# KiCad board trackpad.kicad_pcb
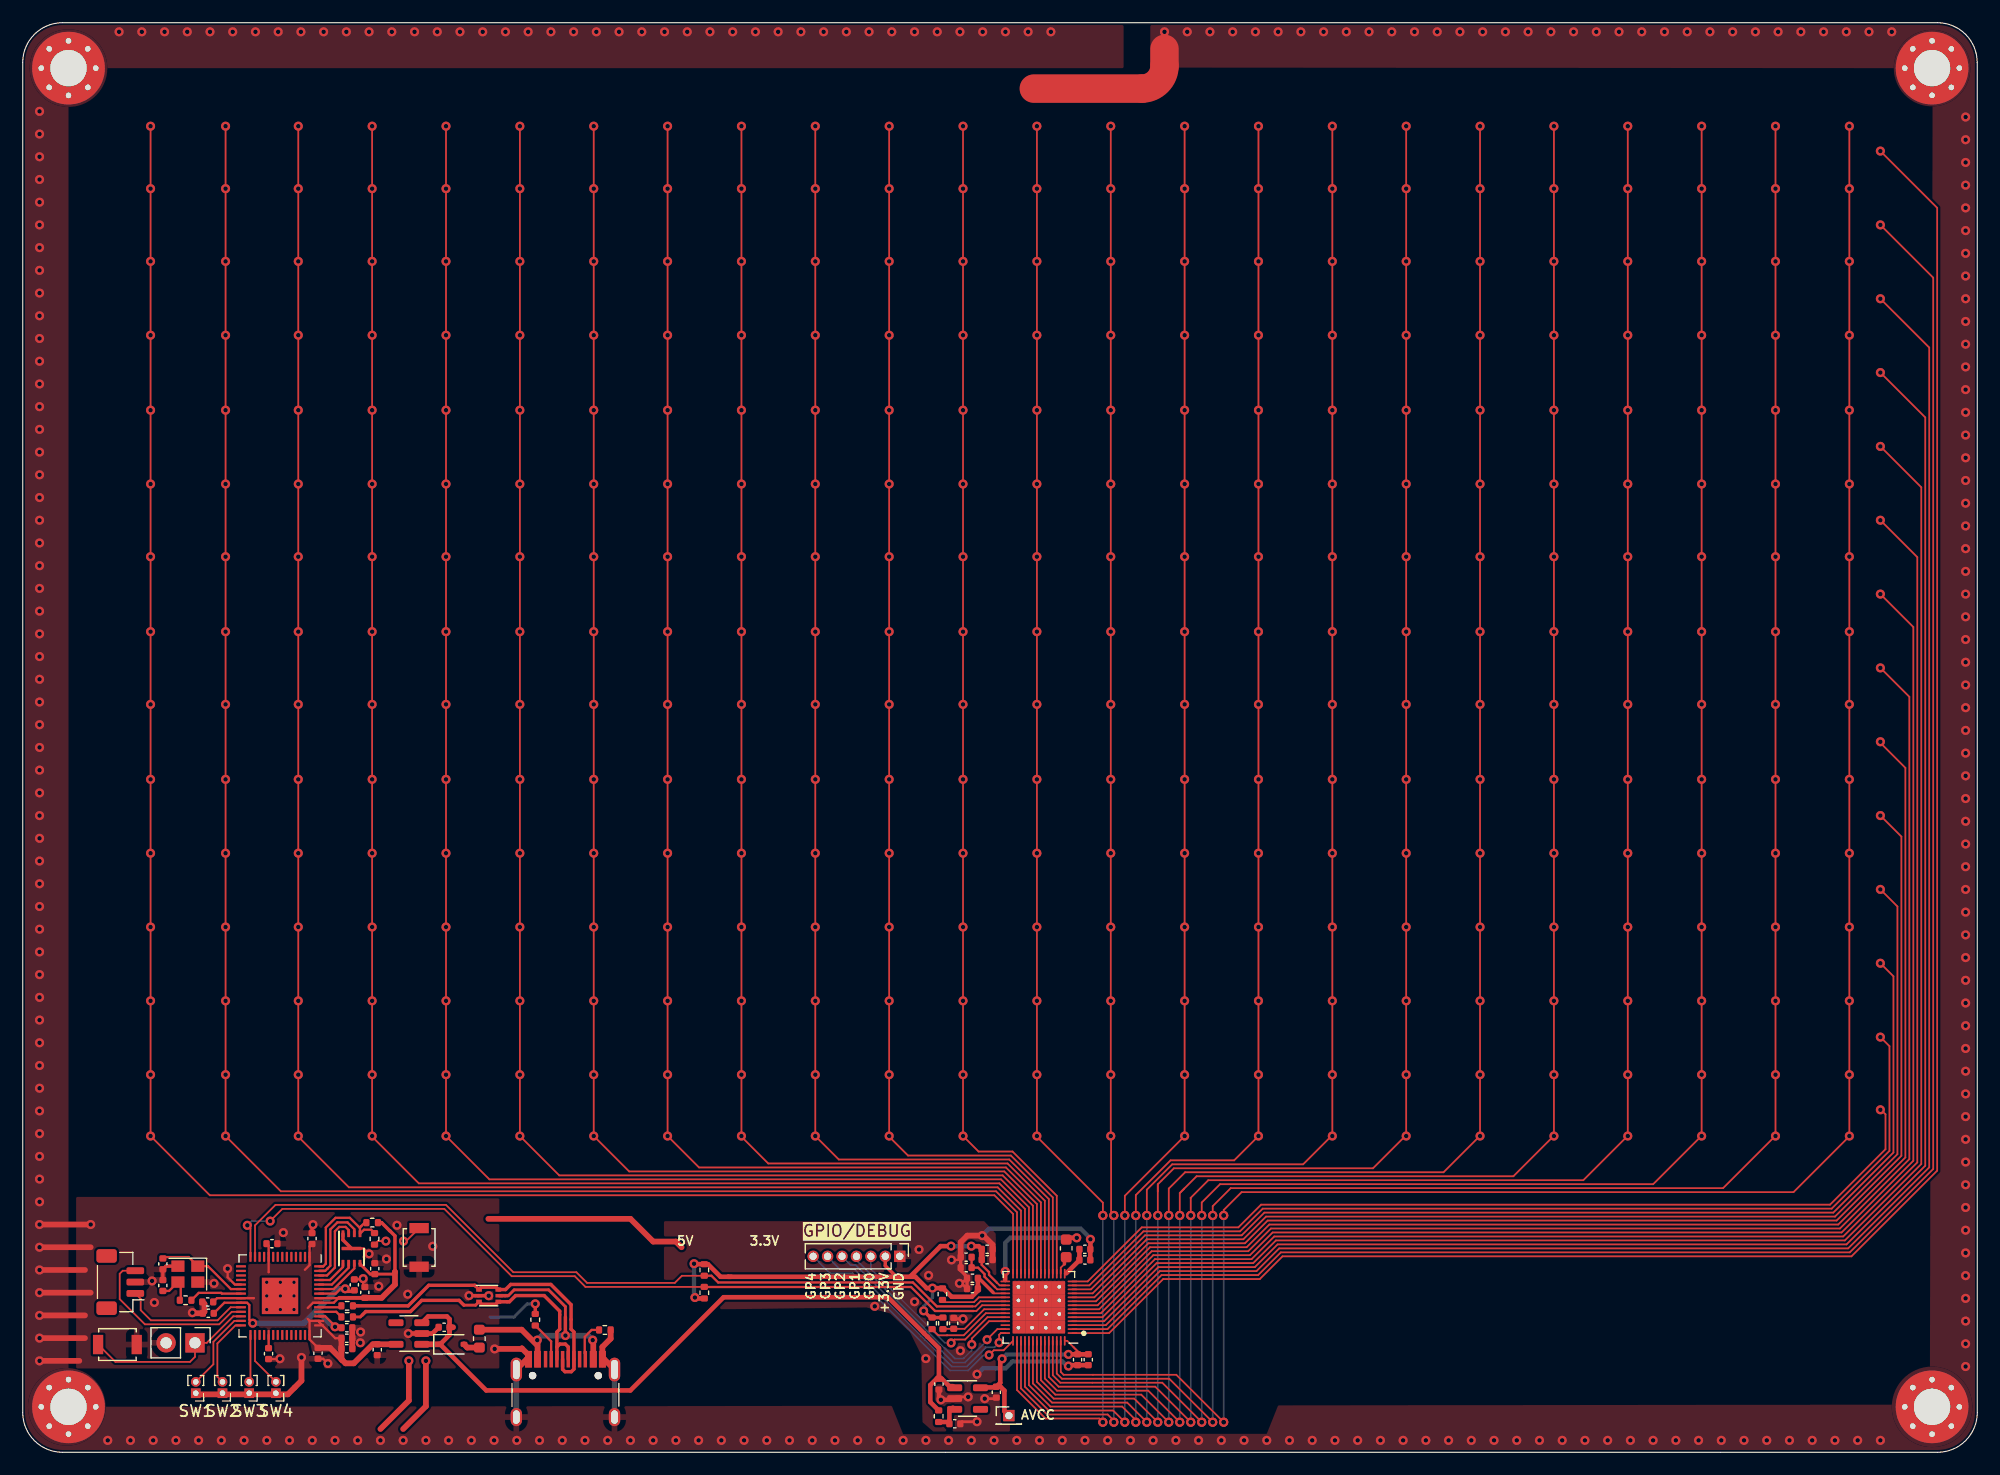
[diagram p0: board, top side]
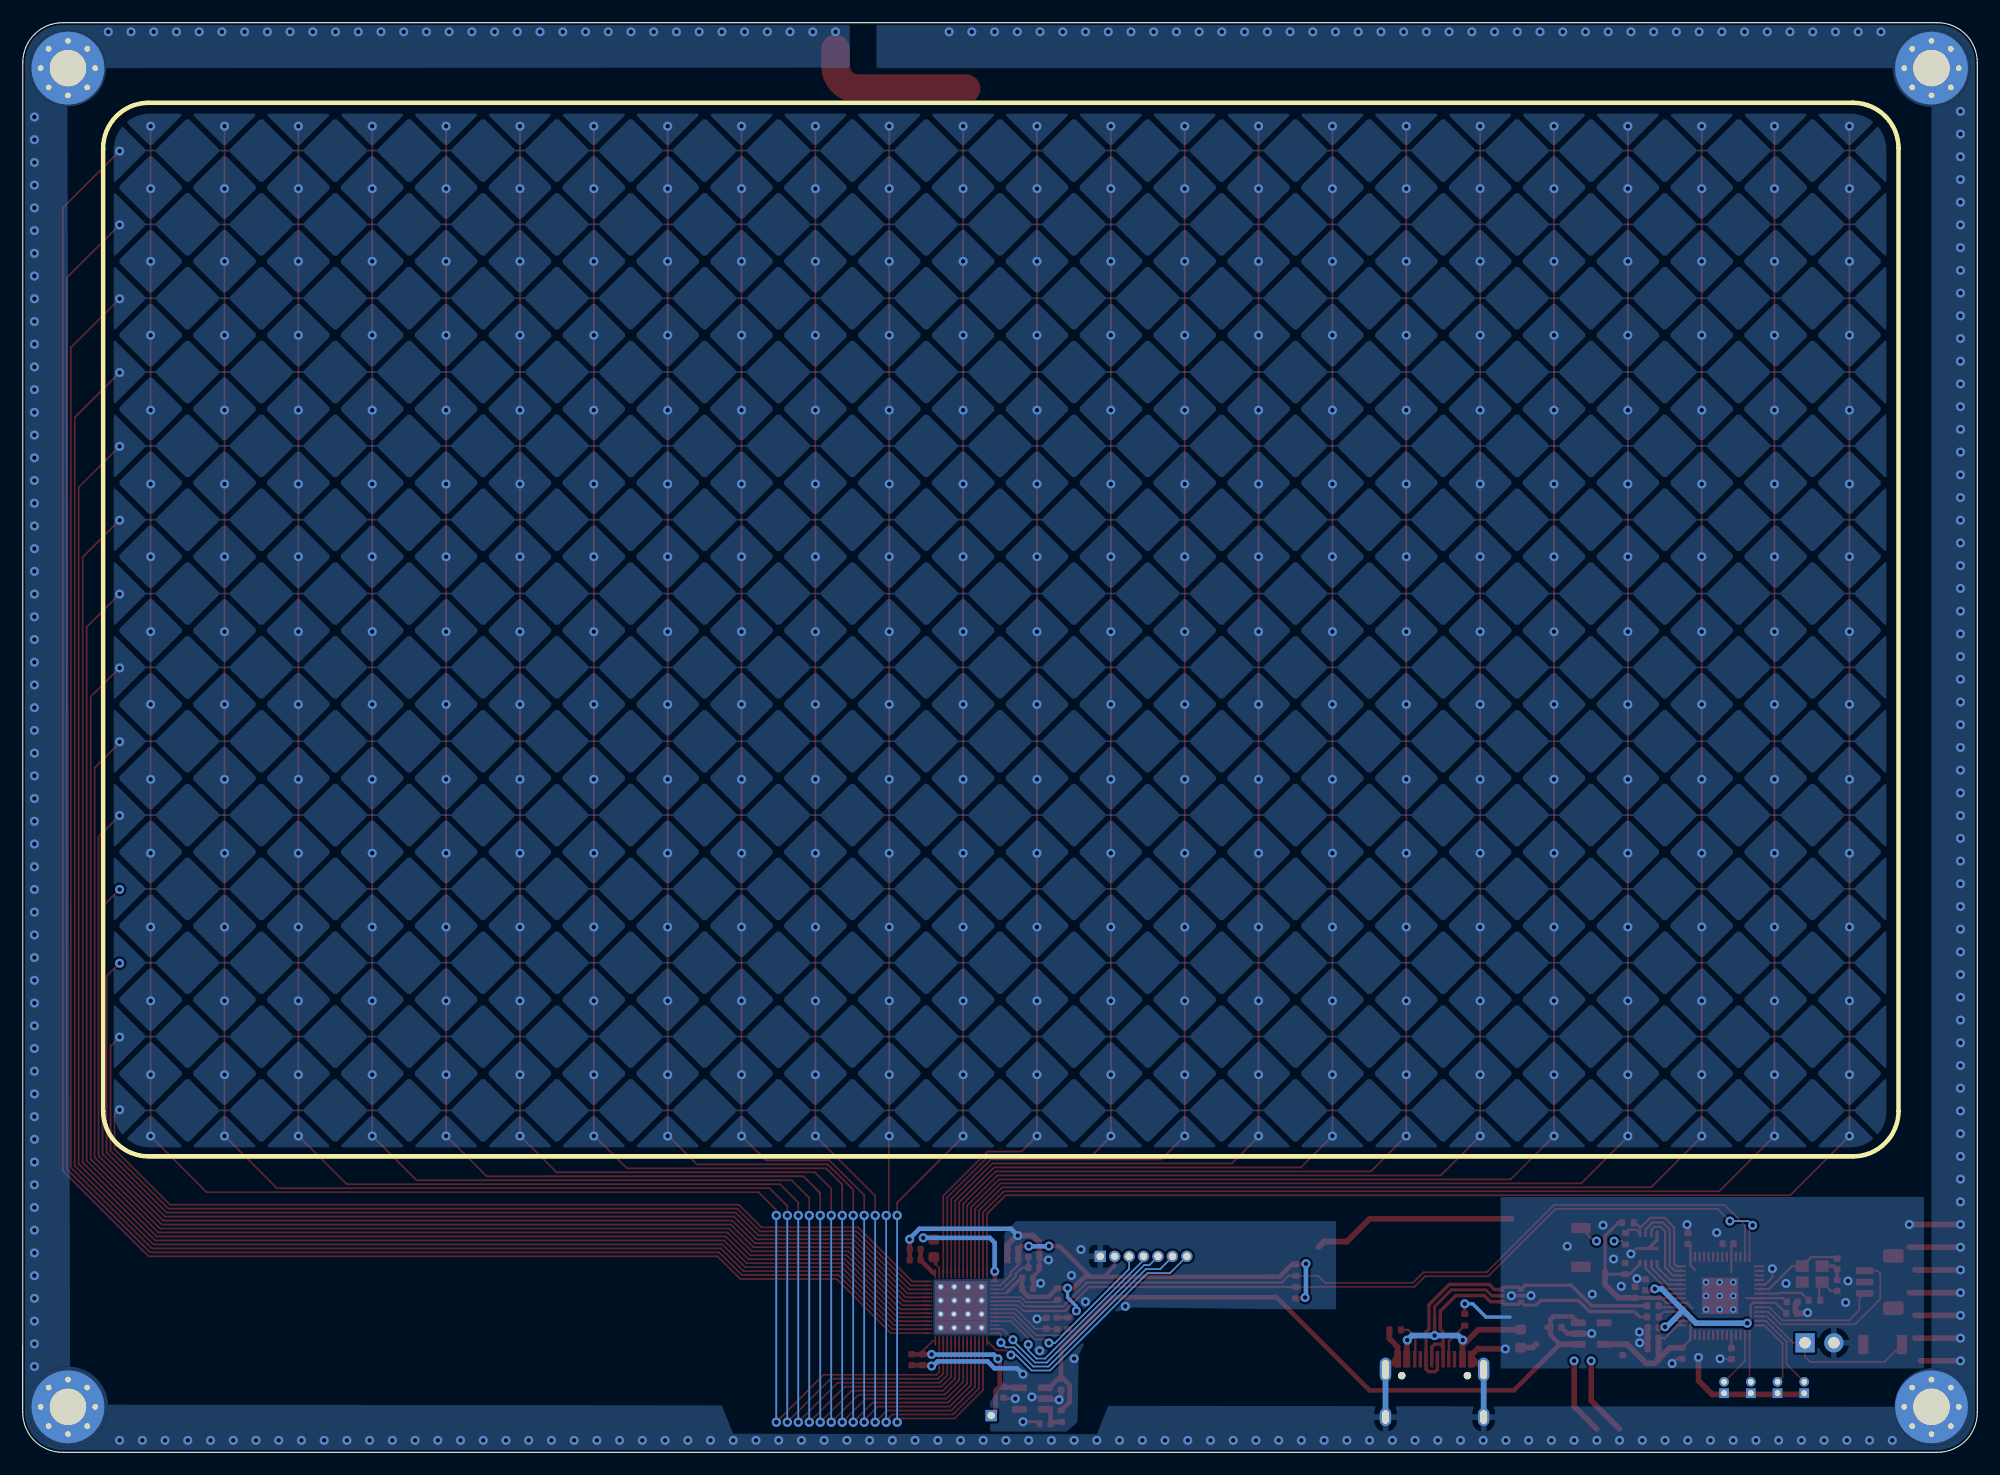
[diagram p1: board, bottom side, seen from below]

Outline 172.01 x 125.85 mm; copper layers: Top, Bottom. Coordinates in mm from the lower left corner of the outline.
Outline path: 0,122.35 arc(1.03,124.82) 3.5,125.85 168.5,125.85 arc(170.97,124.82) 172,122.35 172.01,3.49 arc(170.98,1.02) 168.51,0 3.5,0 arc(1.03,1.03) 0,3.5 0,122.35
Stack: Top 0.035mm / dielectric 1.51mm FR4 er 4.5 / Bottom 0.035mm

## Placement (name value [footprint] x y rotation side)
C1  1µ  [C_0402_1005Metric]  28.53 10.97 0 top
C2  100n  [C_0402_1005Metric]  29.18 14.74 90 top
C3  100n  [C_0402_1005Metric]  16.33 12.24 180 top
C4  1µ  [C_0402_1005Metric]  28.53 9.12 0 top
C5  100n  [C_0402_1005Metric]  30.11 14.08 90 top
C6  100n  [C_0402_1005Metric]  25.46 18.81 90 top
C7  100n  [C_0402_1005Metric]  21.93 18.37 0 top
C8  100n  [C_0402_1005Metric]  16.28 13.24 180 top
C9  100n  [C_0402_1005Metric]  21.63 8.69 270 top
C10  100n  [C_0402_1005Metric]  25.98 8.72 270 top
C11  100n  [C_0402_1005Metric]  28.53 10.04 0 top
C12  15p  [C_0402_1005Metric]  12.33 16.59 270 top
C13  15p  [C_0402_1005Metric]  12.33 14.69 90 top
C14  1µ  [C_0402_1005Metric]  80.63 6 270 top
C15  1µ  [C_0402_1005Metric]  37.08 11.01 180 top
C16  10nF  [C_0402_1005Metric]  81.93 11.35 90 top
C17  2.2nF  [C_0603_1608Metric]  91.83 17.95 90 top
C18  1µ  [C_0402_1005Metric]  93.47 17.87 0 top
C19  22n  [C_0402_1005Metric]  93.47 16.93 0 top
C20  2.2µ  [C_0402_1005Metric]  92.83 8.15 90 top
C21  22n  [C_0402_1005Metric]  93.77 8.15 90 top
C22  1µ  [C_0402_1005Metric]  83.02 16.25 0 top
C23  22n  [C_0402_1005Metric]  83.02 17.18 0 top
C24  2.2µ  [C_0402_1005Metric]  83.58 14.4 0 top
C25  22n  [C_0402_1005Metric]  83.58 15.33 0 top
C26  2.2µ  [C_0402_1005Metric]  84.87 17.88 180 top
C27  22n  [C_0402_1005Metric]  84.87 16.95 180 top
C28  1µ  [C_0402_1005Metric]  85.68 5.29 270 top
C30  1µ  [C_0402_1005Metric]  31.2 9.03 270 top
C37  100n  [C_0402_1005Metric]  30.98 16.17 270 top
C39  10nF  [C_0402_1005Metric]  82.03 2.51 0 top
D1  B5817  [D_SOD-323]  37.78 9.51 0 top
F1  Polyfuse  [Fuse_0603_1608Metric]  40.18 10.01 90 top
H1  MountingHole_Pad  [MountingHole_3.2mm_M3_Pad_Via]  168.03 121.85 0 top
H2  MountingHole_Pad  [MountingHole_3.2mm_M3_Pad_Via]  168.03 4 0 top
H3  MountingHole_Pad  [MountingHole_3.2mm_M3_Pad_Via]  4.03 121.85 0 top
H4  MountingHole_Pad  [MountingHole_3.2mm_M3_Pad_Via]  4.03 4 0 top
J1  type-c-31-m-12  [USB_C_Receptacle_HRO_TYPE-C-31-M-12]  47.76 4.15 0 top
J3  JST 3P  [JST_SH_BM03B-SRSS-TB_1x03-1MP_P1.00mm_Vertical]  8.58 14.99 90 top
J5  Conn_01x07_Pin  [PinHeader_1x07_P1.27mm_Vertical]  77.18 17.25 270 top
J9  Conn_01x02_Pin  [PinHeader_1x02_P2.54mm_Vertical]  15.16 9.64 270 top
J10  Conn_01x01_Pin  [PinHeader_1x01_P1.27mm_Vertical]  86.78 3.23 0 top
R1  10k  [R_0402_1005Metric]  30.75 20.22 180 top
R2  1k  [R_0402_1005Metric]  30.96 18.79 90 top
R3  1k  [R_0402_1005Metric]  14.33 13.39 180 top
R6  5.1k  [R_0402_1005Metric]  45.11 11.67 90 top
R7  5.1k  [R_0402_1005Metric]  51.23 10.77 0 top
R8  27  [R_0402_1005Metric]  28.55 12.89 0 top
R9  27  [R_0402_1005Metric]  28.55 11.92 0 top
R10  12k  [R_0402_1005Metric]  80.98 11.35 270 top
R11  10k  [R_0402_1005Metric]  80.03 11.35 270 top
R12  10k  [R_0402_1005Metric]  80.94 13.92 270 top
R13  3.3k  [R_0402_1005Metric]  59.98 14.05 90 top
R14  3.3k  [R_0402_1005Metric]  59.98 16.05 270 top
R17  10k  [R_0402_1005Metric]  80.61 3.18 270 top
SW1  SW_Push  [PinHeader_1x02_P1.00mm_Vertical]  15.23 5.2 180 top
SW2  SW_Push  [PinHeader_1x02_P1.00mm_Vertical]  17.58 5.2 180 top
SW3  SW_Push  [PinHeader_1x02_P1.00mm_Vertical]  19.93 5.2 180 top
SW4  SW_Push  [PinHeader_1x02_P1.00mm_Vertical]  22.28 5.2 180 top
SW_BOOT1  SW_Push  [SW_SPST_B3U-1000P]  34.88 18.04 90 top
SW_RST1  SW_Push  [SW_SPST_B3U-1000P]  8.33 9.49 0 top
U1  RP2040  [QFN-56-1EP_7x7mm_P0.4mm_EP3.2x3.2mm]  22.64 13.77 270 top
U2  W25Q16JVUXIQ  [USON-8-1EP_3x2mm_P0.5mm_EP0.25x1.65mm]  28.93 17.94 270 top
U3  MIC5504-3.3YM5  [SOT-23-5]  33.98 10.46 180 top
U4  mXT336UD-MAU002  [QFN-56_EP_6x6_Pitch0.35mm]  89.42 12.77 180 top
U5  MIC5504-3.3YM5  [SOT-23-5]  83.15 4.73 0 top
U7  USBLC6-2P6  [SOT-666]  41.01 13.79 0 top
Y1  Crystal_GND24  [Crystal_SMD_2520-4Pin_2.5x2.0mm]  14.53 15.69 180 top

## Library data of the parts
C1 C4 C14 C15 C18 C22 C28 C30 = -: Description: Unpolarized capacitor, small symbol; LCSC: C52923
C2 C3 C5-C11 C37 = -: Description: Unpolarized capacitor, small symbol; LCSC: C1525
C12 C13 = -: Description: Unpolarized capacitor, small symbol; LCSC: C1548
C16 C39 = -: Description: Unpolarized capacitor, small symbol; LCSC: C15195
C17 = -: Description: Unpolarized capacitor, small symbol; LCSC: C1604
C19 C21 C23 C25 C27 = -: Description: Unpolarized capacitor, small symbol; LCSC: C1532
C20 C24 C26 = -: Description: Unpolarized capacitor, small symbol; LCSC: C12530
D1 = -: Description: Schottky diode; LCSC: C123899
F1 = -: Description: Resettable fuse, polymeric positive temperature coefficient; LCSC: C69679
H1-H4 = -: Description: Mounting Hole with connection
J1 = -: Description: USB 2.0-only Type-C Receptacle connector; LCSC: C165948
J3 = -: Description: Generic connector, single row, 01x03, script generated (kicad-library-utils/schlib/autogen/connector/)
J5 = -: Description: Generic connector, single row, 01x07, script generated
J9 = -: Description: Generic connector, single row, 01x02, script generated
J10 = -: Description: Generic connector, single row, 01x01, script generated
R1 R11 R12 R17 = -: Description: Resistor, small symbol; LCSC: C25744
R2 R3 = -: Description: Resistor, small symbol; LCSC: C11702
R6 R7 = -: Description: Resistor, small symbol; LCSC: C25905
R8 R9 = -: Description: Resistor, small symbol; LCSC: C25100
R10 = -: Description: Resistor, small symbol; LCSC: C25752
R13 R14 = -: Description: Resistor, small symbol
SW1-SW4 = -: Description: Push button switch, generic, two pins
SW_BOOT1 SW_RST1 = -: Description: Push button switch, generic, two pins; LCSC: C221821
U1 = -: Description: A microcontroller by Raspberry Pi; LCSC: C2040
U2 = -: Description: 128Mb Serial Flash Memory, Standard/Dual/Quad SPI, SOIC-8; LCSC: C2843335
U3 U5 = -: Description: 300mA Low-dropout Voltage Regulator, Vout 3.3V, Vin up to 5.5V, SOT-23; Height: 1; LCSC: C88419; Manufacturer_Name: Microchip; Manufacturer_Part_Number: MIC5323-3.3YD5-TR; Mouser Part Number: 998-MIC5323-3.3YD5TR; Mouser Price/Stock: https://www.mouser.co.uk/ProductDetail/Microchip-Technology-Micrel/MIC5323-33YD5-TR?qs=U6T8BxXiZAX5zkAwp1aJvQ%3D%3D
U7 = -: Description: Very low capacitance ESD protection diode, 2 data-line, SOT-666; LCSC: C2827693
Y1 = -: Description: Four pin crystal, GND on pins 2 and 4; LCSC: C2149204

## Footprints (pads in the part's own frame, mm; a bottom-side part is the same pattern mirrored in y, then rotated)
C_0402_1005Metric
  rrect 0.56x0.62 smd: 1(-0.48,0) 2(0.48,0)
C_0603_1608Metric
  rrect 0.9x0.95 smd: 1(-0.775,0) 2(0.775,0)
Crystal_SMD_2520-4Pin_2.5x2.0mm
  rect 1.15x1 smd: 1(-0.875,-0.7) 2(0.875,-0.7) 3(0.875,0.7) 4(-0.875,0.7)
D_SOD-323
  rrect 0.6x0.45 smd: 1(-1.05,0) 2(1.05,0)
Fuse_0603_1608Metric
  rrect 0.875x0.95 smd: 1(-0.787,0) 2(0.787,0)
JST_SH_BM03B-SRSS-TB_1x03-1MP_P1.00mm_Vertical
  rrect 0.6x1.55 smd: 1(-1,-1.325) 2(0,-1.325) 3(1,-1.325)
  rrect 1.2x1.8 smd: MP(-2.3,1.2) MP(2.3,1.2)
MountingHole_3.2mm_M3_Pad_Via
  round 0.8 hole 0.5: 1(-2.4,0) 1(-1.697,1.697) 1(-1.697,-1.697) 1(0,2.4) 1(0,-2.4) 1(1.697,1.697) 1(1.697,-1.697) 1(2.4,0)
  round 6.4 hole 3.2: 1(0,0)
PinHeader_1x01_P1.27mm_Vertical
  rect 1x1 hole 0.65: 1(0,0)
PinHeader_1x02_P1.00mm_Vertical
  rect 0.85x0.85 hole 0.5: 1(0,0)
  oval 0.85x0.85 hole 0.5: 2(0,-1)
PinHeader_1x02_P2.54mm_Vertical
  rect 1.7x1.7 hole 1: 1(0,0)
  oval 1.7x1.7 hole 1: 2(0,-2.54)
PinHeader_1x07_P1.27mm_Vertical
  rect 1x1 hole 0.65: 1(0,0)
  oval 1x1 hole 0.65: 2(0,-1.27) 3(0,-2.54) 4(0,-3.81) 5(0,-5.08) 6(0,-6.35) 7(0,-7.62)
QFN-56-1EP_7x7mm_P0.4mm_EP3.2x3.2mm
  rrect 1.29x1.29 smd: (-0.8,0.8) (-0.8,-0.8) (0.8,0.8) (0.8,-0.8)
  rrect 0.875x0.2 smd: 1(-3.438,2.6) 2(-3.438,2.2) 3(-3.438,1.8) 4(-3.438,1.4) 5(-3.438,1) 6(-3.438,0.6) 7(-3.438,0.2) 8(-3.438,-0.2) 9(-3.438,-0.6) 10(-3.438,-1) 11(-3.438,-1.4) 12(-3.438,-1.8) 13(-3.438,-2.2) 14(-3.438,-2.6) 29(3.438,-2.6) 30(3.438,-2.2) 31(3.438,-1.8) 32(3.438,-1.4) 33(3.438,-1) 34(3.438,-0.6) 35(3.438,-0.2) 36(3.438,0.2) 37(3.438,0.6) 38(3.438,1) 39(3.438,1.4) 40(3.438,1.8) 41(3.438,2.2) 42(3.438,2.6)
  rrect 0.2x0.875 smd: 15(-2.6,-3.438) 16(-2.2,-3.438) 17(-1.8,-3.438) 18(-1.4,-3.438) 19(-1,-3.438) 20(-0.6,-3.438) 21(-0.2,-3.438) 22(0.2,-3.438) 23(0.6,-3.438) 24(1,-3.438) 25(1.4,-3.438) 26(1.8,-3.438) 27(2.2,-3.438) 28(2.6,-3.438) 43(2.6,3.438) 44(2.2,3.438) 45(1.8,3.438) 46(1.4,3.438) 47(1,3.438) 48(0.6,3.438) 49(0.2,3.438) 50(-0.2,3.438) 51(-0.6,3.438) 52(-1,3.438) 53(-1.4,3.438) 54(-1.8,3.438) 55(-2.2,3.438) 56(-2.6,3.438)
  rect 3.2x3.2 smd: 57(0,0)
QFN-56_EP_6x6_Pitch0.35mm
  rrect 1.5x1.5 smd: (-1.5,1.5) (-1.5,-1.5) (1.5,1.5) (1.5,-1.5)
  rrect 1.5x0.9 smd: (-1.5,0) (1.5,0)
  rrect 0.9x1.5 smd: (0,1.5) (0,-1.5)
  rrect 0.9x0.9 smd: (0,0)
  oval 0.85x0.15 smd: 1(-2.955,2.275) 2(-2.955,1.925) 3(-2.955,1.575) 4(-2.955,1.225) 5(-2.955,0.875) 6(-2.955,0.525) 7(-2.955,0.175) 8(-2.955,-0.175) 9(-2.955,-0.525) 10(-2.955,-0.875) 11(-2.955,-1.225) 12(-2.955,-1.575) 13(-2.955,-1.925) 14(-2.955,-2.275) 29(2.955,-2.275) 30(2.955,-1.925) 31(2.955,-1.575) 32(2.955,-1.225) 33(2.955,-0.875) 34(2.955,-0.525) 35(2.955,-0.175) 36(2.955,0.175) 37(2.955,0.525) 38(2.955,0.875) 39(2.955,1.225) 40(2.955,1.575) 41(2.955,1.925) 42(2.955,2.275)
  oval 0.15x0.85 smd: 15(-2.275,-2.955) 16(-1.925,-2.955) 17(-1.575,-2.955) 18(-1.225,-2.955) 19(-0.875,-2.955) 20(-0.525,-2.955) 21(-0.175,-2.955) 22(0.175,-2.955) 23(0.525,-2.955) 24(0.875,-2.955) 25(1.225,-2.955) 26(1.575,-2.955) 27(1.925,-2.955) 28(2.275,-2.955) 43(2.275,2.955) 44(1.925,2.955) 45(1.575,2.955) 46(1.225,2.955) 47(0.875,2.955) 48(0.525,2.955) 49(0.175,2.955) 50(-0.175,2.955) 51(-0.525,2.955) 52(-0.875,2.955) 53(-1.225,2.955) 54(-1.575,2.955) 55(-1.925,2.955) 56(-2.275,2.955)
  round 0.575 hole 0.33: 57(-1.8,1.8) 57(-1.8,0.6) 57(-1.8,-0.6) 57(-1.8,-1.8) 57(-0.633,0.6) 57(-0.6,1.8) 57(-0.6,-0.6) 57(-0.6,-1.8) 57(0.6,1.8) 57(0.6,0.6) 57(0.6,-0.6) 57(0.6,-1.8) 57(1.8,1.8) 57(1.8,0.6) 57(1.8,-0.6) 57(1.8,-1.8)
  rect 1.15x1.15 smd: 57(-1.725,1.725) 57(-1.725,0.575) 57(-1.725,-0.575) 57(-1.725,-1.725) 57(-0.575,1.725) 57(-0.575,0.575) 57(-0.575,-0.575) 57(-0.575,-1.725) 57(0.575,1.725) 57(0.575,0.575) 57(0.575,-0.575) 57(0.575,-1.725) 57(1.725,1.725) 57(1.725,0.575) 57(1.725,-0.575) 57(1.725,-1.725)
R_0402_1005Metric
  rrect 0.54x0.64 smd: 1(-0.51,0) 2(0.51,0)
SOT-23-5
  rrect 1.325x0.6 smd: 1(-1.137,0.95) 2(-1.137,0) 3(-1.137,-0.95) 4(1.137,-0.95) 5(1.137,0.95)
SOT-666
  rect 0.5x0.375 smd: 1(-0.85,0.537) 3(-0.85,-0.537) 4(0.85,-0.537) 6(0.85,0.537)
  rect 0.65x0.3 smd: 2(-0.925,0) 5(0.925,0)
SW_SPST_B3U-1000P
  rect 0.9x1.7 smd: 1(-1.7,0) 2(1.7,0)
USB_C_Receptacle_HRO_TYPE-C-31-M-12
  round 0.65 hole 0.65 unplated: (-2.89,2.6) (2.89,2.6)
  rect 0.6x1.45 smd: A1(-3.25,4.045) A4(-2.45,4.045) A9(2.45,4.045) A12(3.25,4.045) B1(3.25,4.045) B4(2.45,4.045) B9(-2.45,4.045) B12(-3.25,4.045)
  rect 0.3x1.45 smd: A5(-1.25,4.045) A6(-0.25,4.045) A7(0.25,4.045) A8(1.25,4.045) B5(1.75,4.045) B6(0.75,4.045) B7(-0.75,4.045) B8(-1.75,4.045)
  oval 1x2.1 hole 0.6x1.7: S1(-4.32,3.13) S1(4.32,3.13)
  oval 1x1.6 hole 0.6x1.2: S1(-4.32,-1.05) S1(4.32,-1.05)
USON-8-1EP_3x2mm_P0.5mm_EP0.25x1.65mm
  rrect 0.6x0.25 smd: 1(-1.3,0.75) 2(-1.3,0.25) 3(-1.3,-0.25) 4(-1.3,-0.75) 5(1.3,-0.75) 6(1.3,-0.25) 7(1.3,0.25) 8(1.3,0.75)
  rrect 0.3x1.75 smd: 9(0,0)

## Nets
3V3: C4.1 C5.1 C6.1 C7.1 C8.1 C9.1 C10.1 C11.1 C30.1 C37.2 R1.1 U1.1 U1.10 U1.22 U1.33 U1.42 U1.43 U1.44 U1.48 U1.49 U2.8 U3.5
5V: C14.1 C15.1 D1.1 R17.1 U3.1 U3.3 U5.1
+1V1: C1.1 C2.1 C3.1 U1.23 U1.45 U1.50
+3.3VA: C20.2 C21.2 C28.1 J10.1 U4.56 U5.5
+3V3: C24.2 C25.2 C26.2 C27.2 J5.2 R10.1 R11.1 R12.1 R13.1 R14.1 U4.30 U4.32
GND: C1.2 C2.2 C3.2 C4.2 C5.2 C6.2 C7.2 C8.2 C9.2 C10.2 C11.2 C12.2 C13.2 C14.2 C15.2 C16.2 C18.2 C19.2 C20.1 C21.1 C22.1 C23.1 C24.1 C25.1 C26.1 C27.1 C28.2 C30.2 C37.1 C39.2 H1.1 H2.1 H3.1 H4.1 J1.A1 J1.A12 J1.B1 J1.B12 J1.S1 J3.2 J5.1 J9.2 R6.2 R7.2 SW1.1 SW2.1 SW3.1 SW4.1 SW_BOOT1.1 SW_RST1.2 U1.19 U1.57 U2.4 U2.9 U3.2 U4.57 U5.2 U7.2 Y1.2 Y1.4
VBUS: F1.2 J1.A4 J1.A9 J1.B4 J1.B9 U7.5
/Macropad/D+: J1.A6 J1.B6 R8.2 U7.1 U7.6
/Macropad/D-: J1.A7 J1.B7 R9.2 U7.3 U7.4
/Macropad/GPIO_AD1: U1.40
/Macropad/GPIO_AD2: U1.41
/Macropad/LED_3.3V: U1.37
/Macropad/MISO: U1.2
/Macropad/MOSI: U1.5
/Macropad/RUN: J9.1 SW_RST1.1 U1.26
/Macropad/SCLK: U1.4
/Macropad/SPI_CS: U1.3
/Macropad/SW1: SW1.2 U1.27
/Macropad/SW2: SW2.2 U1.28
/Macropad/SW3: SW3.2 U1.29
/Macropad/SW4: SW4.2 U1.30
/Sensor/CHANGE: R11.2 U4.37
/Sensor/Col1: U4.55
/Sensor/Col2: U4.54
/Sensor/Col3: U4.53
/Sensor/Col4: U4.52
/Sensor/Col5: U4.51
/Sensor/Col6: U4.50
/Sensor/Col7: U4.49
/Sensor/Col8: U4.48
/Sensor/Col9: U4.47
/Sensor/Col10: U4.46
/Sensor/Col11: U4.45
/Sensor/Col12: U4.44
/Sensor/Col13: U4.17
/Sensor/Col14: U4.18
/Sensor/Col15: U4.19
/Sensor/Col16: U4.20
/Sensor/Col17: U4.21
/Sensor/Col18: U4.22
/Sensor/Col19: U4.23
/Sensor/Col20: U4.24
/Sensor/Col21: U4.25
/Sensor/Col22: U4.26
/Sensor/Col23: U4.27
/Sensor/Col24: U4.28
/Sensor/GPIO0: J5.3 U4.38
/Sensor/GPIO1: J5.4 U4.39
/Sensor/GPIO2: J5.5 U4.41
/Sensor/GPIO3: J5.6 U4.42
/Sensor/GPIO4: J5.7 U4.43
/Sensor/RESET: C16.1 R10.2 U4.36
/Sensor/Row1: U4.1
/Sensor/Row2: U4.2
/Sensor/Row3: U4.3
/Sensor/Row4: U4.4
/Sensor/Row5: U4.5
/Sensor/Row6: U4.6
/Sensor/Row7: U4.7
/Sensor/Row8: U4.8
/Sensor/Row9: U4.9
/Sensor/Row10: U4.10
/Sensor/Row11: U4.11
/Sensor/Row12: U4.12
/Sensor/Row13: U4.13
/Sensor/Row14: U4.14
/Sensor/Shield: U4.40
SCL: R13.2 U1.14 U4.35
SDA: R14.2 U1.13 U4.34
Net-(C13-Pad1): C13.1 R3.2 Y1.3
Net-(D1-A): D1.2 F1.1
Net-(J1-CC1): J1.A5 R6.1
Net-(J1-CC2): J1.B5 R7.1
Net-(J3-Pin_1): J3.1 U1.24
Net-(J3-Pin_3): J3.3 U1.25
Net-(R2-Pad1): R2.1 SW_BOOT1.2
Net-(U1-QSPI_SCLK): U1.52 U2.6
Net-(U1-QSPI_SD0): U1.53 U2.5
Net-(U1-QSPI_SD1): U1.55 U2.2
Net-(U1-QSPI_SD2): U1.54 U2.3
Net-(U1-QSPI_SD3): U1.51 U2.7
Net-(U1-QSPI_SS): R1.2 R2.2 U1.56 U2.1
Net-(U1-USB_DM): R9.1 U1.46
Net-(U1-USB_DP): R8.1 U1.47
Net-(U1-XIN): C12.1 U1.20 Y1.1
Net-(U1-XOUT): R3.1 U1.21
Net-(U4-EXCAP0): C17.2 U4.29
Net-(U4-EXCAP1): C17.1 U4.16
Net-(U4-TEST): R12.2 U4.33
Net-(U4-VDDCORE): C22.2 C23.2 U4.31
Net-(U4-XVDD): C18.1 C19.1 U4.15
Net-(U5-EN): C39.1 R17.2 U5.3

Pads without a net: J1 A8 B8; J3 MP; U1 6 7 8 9 11 12 15 16 17 18 31 32 34 35 36 38 39; U3 4; U5 4

## Via types
v1: diameter 0.8, hole 0.4, Top to Bottom, 757 vias
v2: diameter 0.6, hole 0.3, Top to Bottom, 9 vias

## Routing (per net, layer and track width the routed paths; a pad name or vN(x,y) marks a point on that pad's centre or on a via; arc(x,y) is an arc through that point)
3V3: length 46.7
  Top w0.2: 21.64,17.35 21.64,18.17 C7.1 ; 21.64,15.86 21.64,15.86 U1.10 ; 21.63,9.17 21.64,9.18 U1.33 ; C10.1 25.24,9.94 U1.42 25.24,11.58 ; 25.08,11.74 25.25,11.57 U1.44 26.08,11.46 27.5,10.04 C11.1 ; C6.1 25.24,18.12 U1.1 25.24,16.48 24.83,16.07 ; C8.1 17.09,13.57 U1.22 20.33,13.57 20.33,13.57 ; 30.09,13.62 30.11,13.59 ; 25.08,12.7 25.55,13.17 U1.48 27.38,13.17 27.8,13.59 27.85,13.59 27.83,13.57 U1.49
  Top w0.25: 32.76,15.89 32.55,15.69 C37.2 30.58,15.69 29.68,16.58 U2.8
  Top w0.3: 32.76,15.89 32.76,19.05 32.29,19.52 32.28,19.52 31.58,20.22 R1.1 ; 30.06,13.59 30.09,13.62
  Top w0.35: 27.85,13.59 30.06,13.59
  Top w0.5: 28.12,8.11 27.04,9.2 C10.1 ; 28.12,8.11 28.13,8.12 ; 28.12,8.11 28.05,8.19 ; C11.1 C4.1 28.05,8.19 ; 32.76,15.81 32.76,15.89 32.76,14.77 31.59,13.59 30.11,13.59 ; U3.5 31.2,9.51 C30.1 30.82,9.51 29.14,7.83 28.41,7.83 28.05,8.19
5V: length 66.1
  Top w0.4: 37.56,10.66 C15.1 ; 37.56,10.66 37.56,11.73 37.33,11.96 35.67,11.96 U3.3 ; 37.56,10.66 37.56,10.34 D1.1 40.79,5.45 53.48,5.45 61.68,13.65 76.15,13.65 79.31,10.49 79.31,10.48 79.62,10.17 79.62,10.17 80.63,9.17 C14.1 ; C14.1 80.44,6.48 79.87,5.92 79.87,4.42 R17.1 ; C14.1 80.88,6.48 81.53,5.83 81.86,5.83
  Top w0.5: U3.1 D1.1 ; C15.1 37.87,11.01
+1V1: length 22.7
  Top w0.2: U1.45 26.61,11.97 27.48,11.1 ; v1(20.24,11.37) 19.94,11.67 19.94,12.96 19.74,13.17 U1.23 17.74,13.17 C3.1 ; U1.50 27.53,13.97 27.96,14.39 v1(28.38,14.39) ; 29.18,14.17 29.18,14.17 C2.1
  Top w0.3: C1.1 27.97,11.05 v1(27.48,11.05) ; 29.18,14.17 28.61,14.17 v1(28.38,14.39)
  Bottom w0.5: v1(27.48,11.05) 27.33,11.05 25.88,12.5 ; 25.88,12.5 27.77,14.39 v1(28.38,14.39) ; 25.88,12.5 24.75,11.37 v1(20.24,11.37)
+3.3VA: length 18.4
  Top w0.15: 93.77,8.62 93.11,8.62 92.48,9.25 ; 92.84,8.62 92.84,8.9 92.48,9.25 ; 92.48,9.25 91.92,9.81 U4.56
  Top w0.3: 92.84,8.62 C20.2 ; 93.77,8.62 C21.2
  Top w0.4: C28.1 86.03,6.12 86.03,8.06 v1(86.18,8.22) ; C28.1 85.62,5.71 84.32,5.71 U5.5 ; C28.1 86.05,5.77 86.39,5.43 86.39,3.62 J10.1 ; C20.2 92.04,8.63 v1(92.02,8.62) ; 93.77,8.62 92.84,8.62
  Bottom w0.4: v1(92.02,8.62) 92.01,8.6 86.56,8.6 v1(86.18,8.22)
+3V3: length 53.2
  Top w0.15: 84.06,14.15 C24.2 ; 85.74,14.93 85.97,14.69 U4.30 ; U4.32 85.47,13.99 85.4,14.07
  Top w0.2: 85.74,14.93 85.04,15.63 85.04,15.86 84.39,16.5 C27.2
  Top w0.3: J5.2 75.91,16.42 76.88,15.45 ; v1(79.28,12.45) 79.87,11.86 R11.1 R10.1 ; 85.4,14.07 84.14,15.33 C25.2
  Top w0.4: C25.2 C24.2 84.06,14.23 83.52,13.69 81.74,13.69 81,14.43 R12.1 80.92,14.45 v1(80.06,14.45) 79.55,14.45 78.55,15.45 62.08,15.45 ; 78.08,15.45 80.78,18.15 v1(81.7,18.15) ; 62.08,15.45 61.41,15.45 60.3,16.56 60.08,16.56 ; 62.08,15.45 62.36,15.45 ; R14.1 59.12,16.56 v1(59.08,16.6) ; R13.1 59.24,13.54 v1(59.16,13.62) ; C26.2 84.13,18.14 v1(83.48,18.14)
  Top w0.5: C26.2 C27.2
  Bottom w0.3: v1(79.28,12.45) 79.28,12.85 80.06,13.63 v1(80.06,14.45)
  Bottom w0.4: v1(83.48,18.14) 83.46,18.13 81.72,18.13 v1(81.7,18.15) ; 59.23,13.55 v1(59.16,13.62) 59.16,13.73 59.08,13.8 v1(59.08,16.6)
GND: length 141.6
  Top w0.15: 13.66,16.39 13.83,16.56
  Top w0.2: C5.2 29.96,14.7 v1(29.96,15.28) 29.89,15.22 C2.2 ; C9.2 22.6,8.21 v1(22.63,8.24) ; C23.1 82.3,16.93 v1(81.74,16.93) ; v1(30.48,17.47) 30.01,17.94 U2.9 ; C10.2 26.44,8.24 v1(26.86,7.81) ; v1(18.03,16.17) 18.03,15.41 18.67,14.77 U1.19 ; 13.66,16.39 13.93,16.66
  Top w0.25: U5.2 82.16,4.88 v1(83.2,4.88) ; v1(83.98,2.69) 82.69,2.69 C39.2 ; C28.2 85.59,4.72 v1(84.66,4.72) ; C24.1 82.62,14.88 v1(82.43,14.88) 82.65,14.88 C25.1
  Top w0.3: U2.4 28.18,18.69 U2.9 ; 13.66,16.39 12.61,16.39 C12.2 12.33,15.17 ; C6.2 25.46,19.96 v1(25.54,20.04) ; 83.1,15.07 C24.1 83.1,14.59 ; 83.1,15.07 83.1,15.45 82.54,16.01 C22.1 C23.1 ; 83.1,15.07 83.09,15.06 ; v1(39.28,13.79) 39.28,13.79 U7.2 41,13.79 v1(41.01,13.78) ; v1(82.75,11.74) 82.02,11.74 C16.2 ; v1(45.11,13.07) R6.2
  Top w0.4: C19.2 C18.2 93.96,17.88 v1(93.96,18.75) ; v1(92.02,7.59) 92.1,7.67 C21.1 ; U5.2 81.9,4.62 v1(80.8,4.62) 80.63,4.79 C14.2 ; C15.2 36.05,10.46 U3.2 v1(33.93,10.46)
  Top w0.5: C27.1 85.35,16.96 85.35,18.28 84.55,19.08 v1(84.44,19.08) 83.12,19.08 82.54,18.49 C23.1 ; C8.2 15.82,13.24 15.99,13.06 15.99,12.38 C3.2 14.99,12.24 v1(14.93,12.29) ; 51.01,7.74 51.01,9.27 51.74,10.01 R7.2 ; v1(1.48,16.05) 5.48,16.05 ; v1(41.53,9.1) 43.88,9.1 43.93,9.15 44.51,8.57 J1.A1 44.36,8.2 J1.S1 ; 5.98,14.05 v1(1.48,14.05) ; v1(1.48,20.05) v1(5.98,20.05) ; C1.2 C11.2 C4.2 ; J1.S1 51.17,8.2 J1.A12 ; v1(1.48,12.05) 5.48,12.05 ; v1(1.48,10.05) 5.48,10.05 ; 24.53,8.25 24.53,6.3 23.33,5.1 15.23,5.1 ; v1(1.48,8.05) 4.98,8.05 ; v1(1.48,18.05) 5.98,18.05